# Altium PCB Driver.PcbDoc (part 2 of 2)
Units mm, origin at the board's own origin, x right, y up, seen from the top; angles counter-clockwise.
Board outline 245.25 x 200.25 mm, 2 copper layers (Top Layer, Bottom Layer), stack 1.371 mm thick; 666 components, 213 nets, 1628 pads, 0 vias.
Unrouted connection lines stored in the file: 1374.
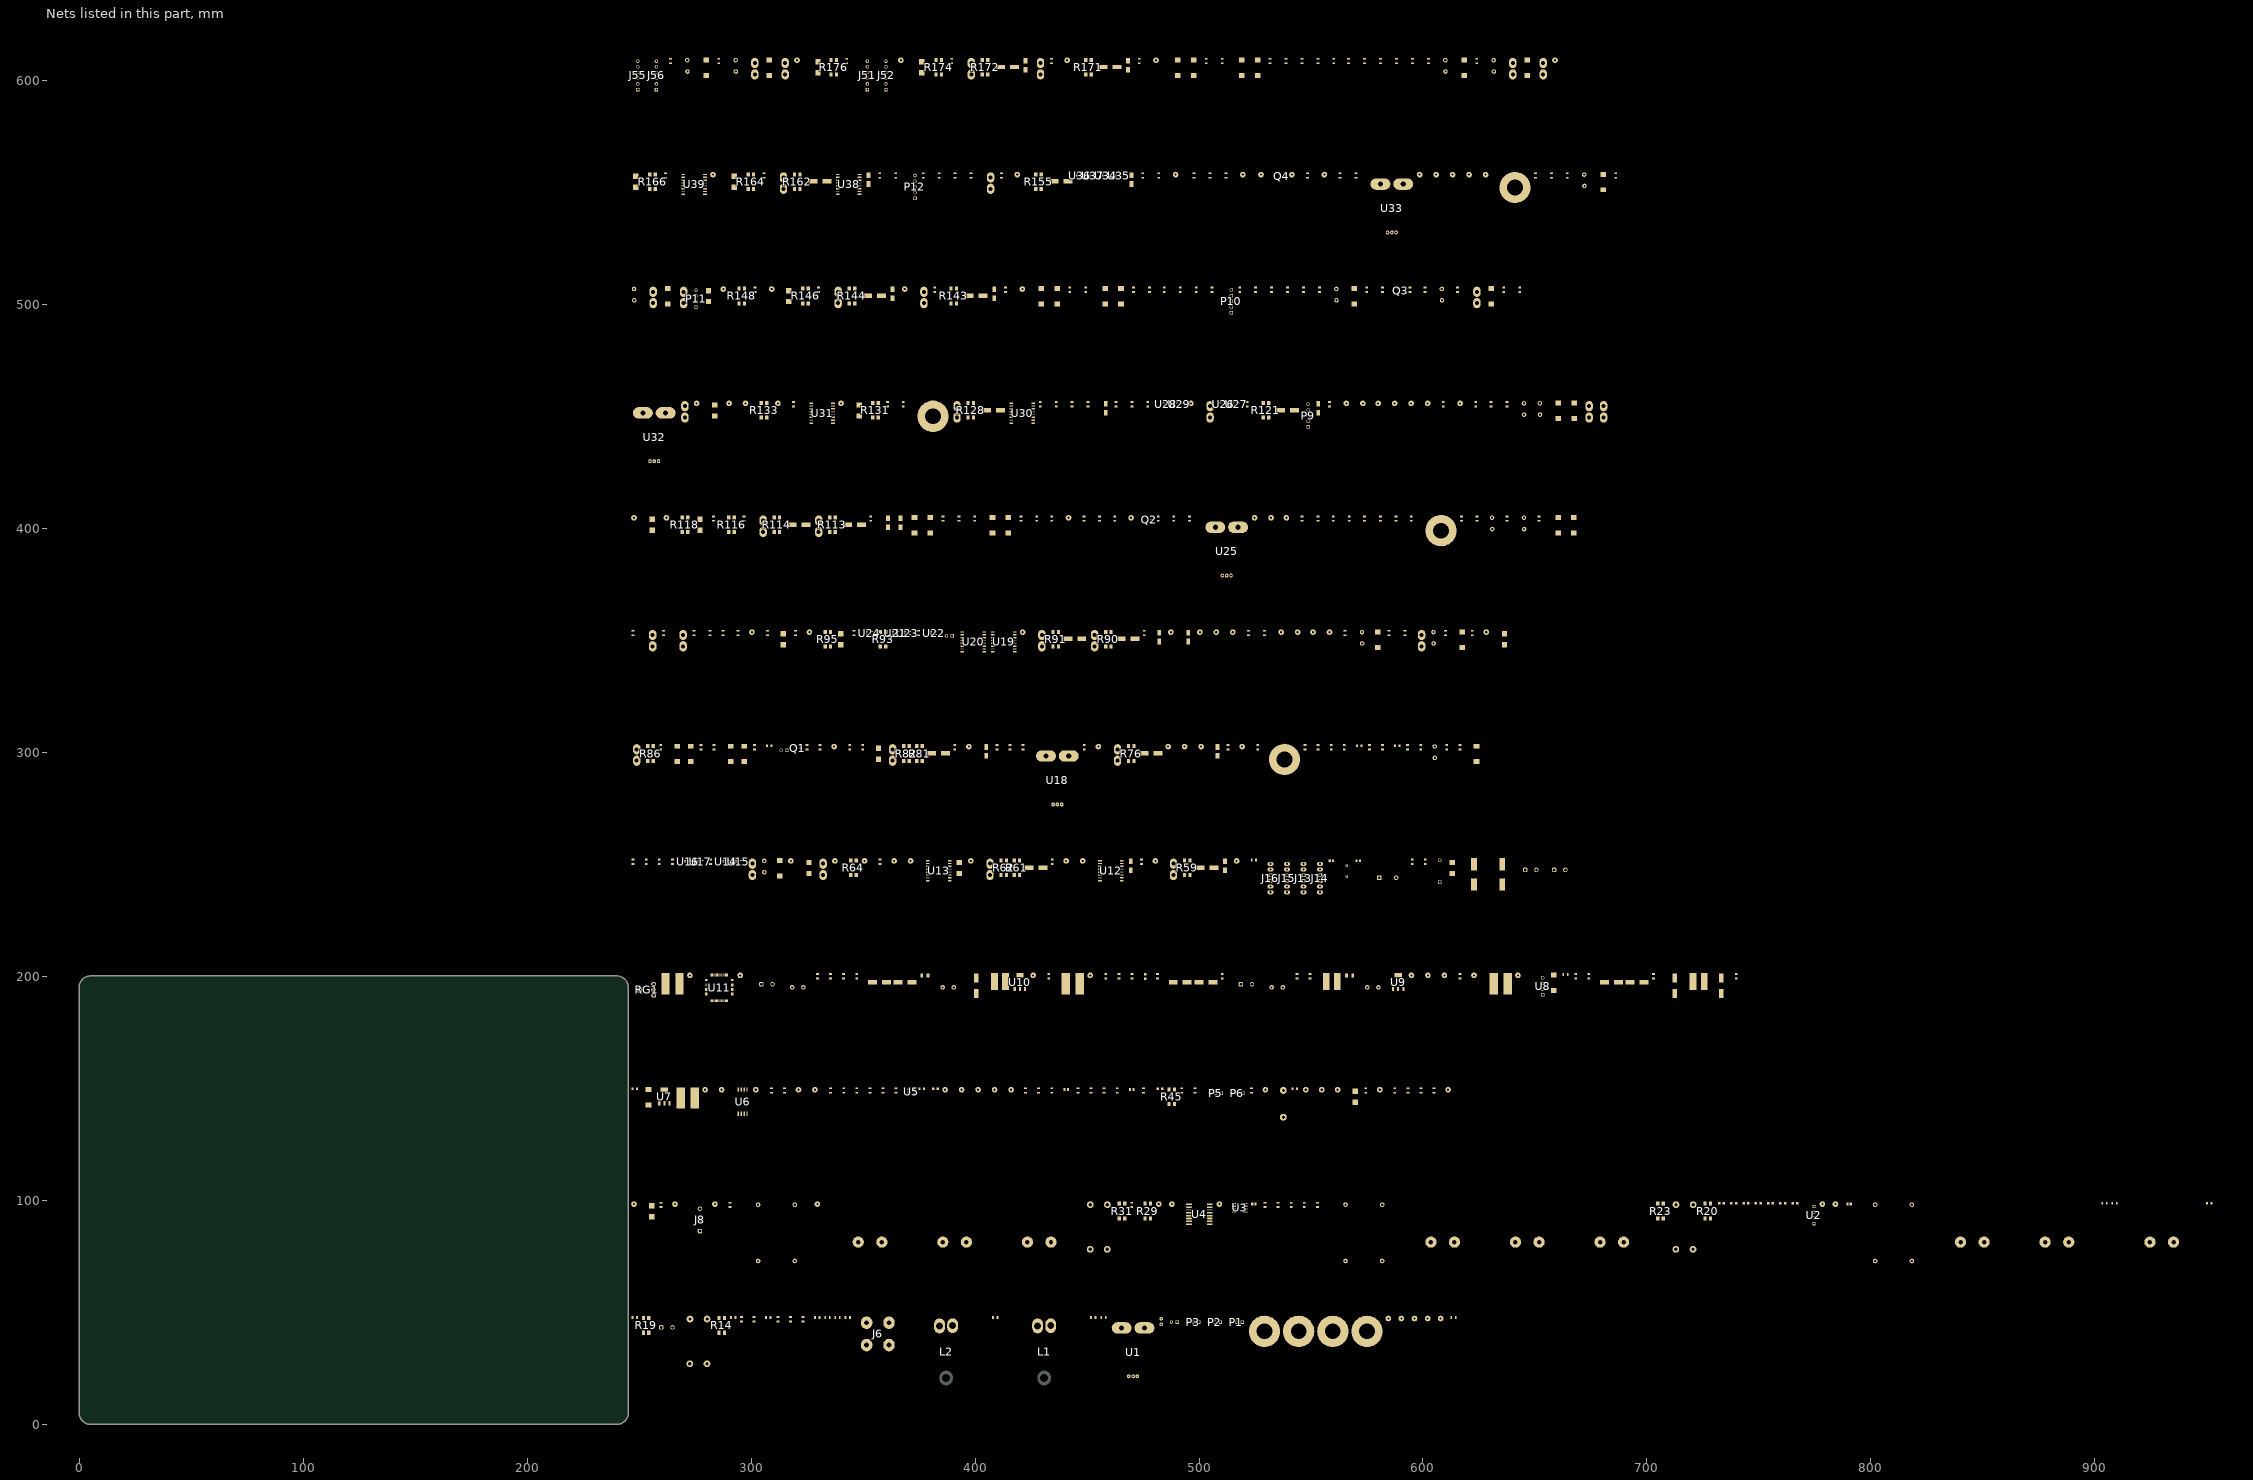
[diagram p2: the nets of this part, all layers, seen from the top]

## Part data
C1 C2 C3 C4 C8 C9 C14 C15 C20 C21 C22 C24 C26 C27 C28 C29 C30 C31 C33 C37 C39 C41 C43 C45 C46 C48 C49 C52 C53 C56 C57 C59 C60 C62 C66 C67 C99 C107 C149: library part CAP-NON-POLAR
C5 C6 C7 C11 C12 C13 C17 C18 C19: library part CAP_POL_LOW_IMP
C10 C16: library part CMP-1036-04552-2, "CAP CER 0.22UF 50V X7R 0805", Capacitance="0.22 μF", Manufacturer=KEMET, Package=C0805C-DN, Temperature="-55°C to +125°C", Temperature Characteristic=X7R, Temperature Coefficient=30ppm/°C, Temperature Range High=+125°C, Temperature Range Low=-55°C, Tolerance=0.1, Voltage Rating="50 V", Automotive=No, Category=Cap, ComponentLink2Description=Datasheet, ComponentLink2URL=https://content.kemet.com/datasheets/KEM_C1003_C0G_SMD.pdf, Device Class L1="Passive Components", Device Class L2=Capacitors, Device Class L3="Ceramic Capacitors", Digikey Description="CAP CER 0.22UF 50V X7R 0805", Height=0.88mm, Ipc Land Pattern Name=CAPC200125X78, Lead Free=Yes, Manufacturer Part Number=C0805C224K5RACTU, Material=Ceramic, Mouser Description="CAP CER 0.22UF 50V X7R 0805", Octopart=https://octopart.com/c0805c224k5ractu-kemet-144670, RoHS=TRUE
C23: library part CMP-1036-04552-2, "CAP CER  2.2UF 50V X7R 0805", Capacitance="0.22 μF", Manufacturer=KEMET, Manufacturer Part Number=C0805C224K5RACTU, Package=C0805C-DN, Temperature="-55°C to +125°C", Temperature Characteristic=X7R, Temperature Coefficient=30ppm/°C, Temperature Range High=+125°C, Temperature Range Low=-55°C, Tolerance=0.1, Voltage Rating="50 V", Automotive=No, Category=Cap, ComponentLink2Description=Datasheet, ComponentLink2URL=https://content.kemet.com/datasheets/KEM_C1003_C0G_SMD.pdf, Device Class L1="Passive Components", Device Class L2=Capacitors, Device Class L3="Ceramic Capacitors", Digikey Description="CAP CER 0.22UF 50V X7R 0805", Height=0.88mm, Ipc Land Pattern Name=CAPC200125X78, Lead Free=Yes, Material=Ceramic, Mouser Description="CAP CER 0.22UF 50V X7R 0805", Octopart=https://octopart.com/c0805c224k5ractu-kemet-144670, RoHS=TRUE
C25: library part CMP-1036-04552-2, "CAP CER 2.2UF 50V X7R 0805", Capacitance="0.22 μF", Manufacturer=KEMET, Manufacturer Part Number=C0805C224K5RACTU, Package=C0805C-DN, Temperature="-55°C to +125°C", Temperature Characteristic=X7R, Temperature Coefficient=30ppm/°C, Temperature Range High=+125°C, Temperature Range Low=-55°C, Tolerance=0.1, Voltage Rating="50 V", Automotive=No, Category=Cap, ComponentLink2Description=Datasheet, ComponentLink2URL=https://content.kemet.com/datasheets/KEM_C1003_C0G_SMD.pdf, Device Class L1="Passive Components", Device Class L2=Capacitors, Device Class L3="Ceramic Capacitors", Digikey Description="CAP CER 0.22UF 50V X7R 0805", Height=0.88mm, Ipc Land Pattern Name=CAPC200125X78, Lead Free=Yes, Material=Ceramic, Mouser Description="CAP CER 0.22UF 50V X7R 0805", Octopart=https://octopart.com/c0805c224k5ractu-kemet-144670, RoHS=TRUE
C32 C34 C36 C38 C40 C44 C47 C50 C51 C54 C55 C58 C61 C63 C68 C72 C74 C85 C87 C105 C106 C129 C130 C136 C139 C159 C161 C170 C172 C190 C192: library part CAP-POLAR
C64 C65: library part 1000uF_10V_Size_F
C69 C70: library part CMP-2007-03453-2, "Chip Multilayer Ceramic Capacitors for General Purpose, 0805, 16pF, X5R, 15%, 10%, 16V", Capacitance=10uF, Case Code (Imperial)=0805, Case Code (Metric)=2012, Dielectric=X5R, Max Operating Temperature=85°C, Min Operating Temperature=-55°C, Package Quantity=1, Tolerance=10%, Voltage=16V, Case/Package=0805, Depth=1.25mm, Height=1.25mm, Lead Free="Lead Free", Length=2mm, Material=Ceramic, Mount="Surface Mount", Packaging="Tape and Reel", Radiation Hardening=No, REACH SVHC="No SVHC", Termination=SMD/SMT, Thickness=0.053inch, Voltage Rating=16V, Voltage Rating (DC)=16V, Width=1.25mm
D1 D2 D3 D4 D5 D6 D7 D9 D10: library part LED, "WURTH ELEKTRONIK - 151031YS06000 - LED, Yellow, Through Hole, T-1 (3mm), 30 mA, 2 V, 590 nm", Manufacturer_Name="Wurth Elektronik", Mouser Part Number=710-151031YS06000, Datasheet Link=https://katalog.we-online.de/led/datasheet/151031YS06000.pdf, Geometry.Height=5.5mm, Manufacturer_Part_Number=151031YS06000, Mouser Price/Stock=https://www.mouser.co.uk/ProductDetail/Wurth-Elektronik/151031YS06000?qs=LlUlMxKIyB3xSYYW%252BcuBiQ%3D%3D
D8: "WURTH ELEKTRONIK - 151031YS06000 - LED, Yellow, Through Hole, T-1 (3mm), 30 mA, 2 V, 590 nm", Manufacturer_Name="Wurth Elektronik", Manufacturer_Part_Number=151031YS06000, Mouser Part Number=710-151031YS06000, Datasheet Link=https://katalog.we-online.de/led/datasheet/151031YS06000.pdf, Geometry.Height=5.5mm, Mouser Price/Stock=https://www.mouser.co.uk/ProductDetail/Wurth-Elektronik/151031YS06000?qs=LlUlMxKIyB3xSYYW%252BcuBiQ%3D%3D
D11: library part CMP-02541-000001-1, "DIODE ZENER 15V 1.3W DO41", Manufacturer=Vishay, Max Junction Temp=+175°C, Max Reverse Leakage Current=0.5uA, Max Zener Voltage=15.6V, Nom Zener Voltage=15V, Package=6.561-5001.02-4, Power Dissipation=1300mW, Reverse Voltage=11V, Temperature="to +175°C", Automotive=Yes, Automotive Grade="Grade 0", Category=Diode, ComponentLink2Description=Datasheet, ComponentLink2URL=http://www.vishay.com/docs/85607/bzx85.pdf, Device Class L1="Discrete Semiconductors", Device Class L2=Diodes, Device Class L3="Zener Diodes", Digikey Description="DIODE ZENER 15V 1.3W DO41", Height=2.6mm, Lead Free=Yes, Manufacturer Part Number=BZX85C15-TAP, Mouser Description="Zener Diodes 15 Volt 1.3 Watt 5%", Octopart=https://octopart.com/bzx85c15-tap-vishay-55401762, RoHS=TRUE, Temperature Range High=+175°C, Zener Impedance=15Ω
J1 J2 J3 J4 J17 J18 J19 J20 J21 J22 J23 J24 J25 J26 J27 J28 J29 J30 J31 J32 J33 J34 J35 J36 J37 J38 J39 J40 J41 J42 J43 J44 J45 J46 J47 J48 J49 J50 J53 J54: library part Klema_15_A
J6: library part Connector_Tianli_T-800
J7 J9 J10 J11 J12: "WR-TBL Series 101 Horizontal Entry Modular, THT, pitch 5mm, 2p", Manufacturer="Wurth Elektronik", Operating Temperature Max=105°C, Operating Temperature Min=-40°C, Rated Current=16A, Working Voltage=250V, Application="Pressure Clamp", Category="Terminal Blocks", ComponentLink1Description="Website Link", ComponentLink1URL=https://www.we-online.com/redexpert/article/691101710002?ad, ComponentLink2Description="Datasheet Link", ComponentLink2URL=https://www.we-online.com/redexpert/spec/691101710002?ad, Manufacturer Part Number=691101710002, Match Code=WR-TBL, Modularity=Yes, Mount="Through Hole", Number of Pins=2, Number of Rows=1, Orientation=Horizontal, Packaging=Box, Pitch=5mm
J8: library part 691101710003, "WR-TBL Series 101 Horizontal Entry Modular, Through Hole, pitch 5mm, 3p", Manufacturer="Wurth Elektronik", Operating Temperature Max=105°C, Operating Temperature Min=-40°C, Rated Current=16A, Working Voltage=250V, Application="Pressure Clamp", Category="Terminal Blocks", ComponentLink1Description="Manufacturer Link", ComponentLink1URL=https://www.we-online.com/redexpert/article/691101710003?ad, ComponentLink2Description=Datasheet, ComponentLink2URL=https://www.we-online.com/redexpert/spec/691101710003?ad, Manufacturer Part Number=691101710003, Match Code=WR-TBL, Modularity=Yes, Mount="Through Hole", Orientation=Horizontal, Packaging=Box, PCB/Cable/Panel=PCB, Pin Number=3, Pitch=5mm
J51 J52 J55 J56: library part SWR25X-NRTC-S06-ST-BA
L3 L5 L7 L9: library part CMP-0227-00501-2, Ambient Temperature Range High=85°C, Ambient Temperature Range Low=-40°C, Current Rating=620mA, DC Resistance (DCR)=500mΩ, Inductance=270µH, Max Operating Temperature=125°C, Self Resonant Frequency=4MHz, Height=5.4mm, Length=9mm, Min Operating Temperature=-40°C, NexarPartId=24533346, Packaging=Digi-Reel®, RoHS=Compliant, Width=10mm
L4 L6 L8: library part 74477530, "WE-PD2 SMT Power Inductor, size 7850, 1000µH, 0.3A, 3.3Ω", Case/Size Code=7850, DC Resistance=2.78Ω, DC Resistance Max=3.3Ω, Inductance=1000µH, Manufacturer="Wurth Elektronik", Operating Temperature Max=125°C, Operating Temperature Min=-40°C, Rated Current=0.3A, Self Resonant Frequency=2.4MHz, Category="Unshielded Power Inductors", ComponentLink1Description="Website Link", ComponentLink1URL=https://www.we-online.com/redexpert/article/74477530?ad, ComponentLink2Description="Datasheet Link", ComponentLink2URL=https://www.we-online.com/redexpert/spec/74477530?ad, Height=4.95mm, Length=7.8mm, Manufacturer Part Number=74477530, Match Code=WE-PD2, Mount="Surface Mount", Packaging="Tape and Reel", Saturation Current=0.3A, Width=7mm, Simulation ModelName=7850_74477530_1m, Simulation ModelText=".subckt 7850_74477530_1m 1 2 / Rp 1 2 187304.915771 / Cp 1 2 4.36976277949p / Rs 1 N3 3.3 / L1 N3 2 1000u / .ends 7850_74477530_1m", Simulation PortMap=(1:1),(2:2)
P1 P2 P3 P5 P6: "WR-WTB THT Male Vertical Locking Header, pitch 2.54mm, 3p", Contact Resistance=20mOhm, Operating Temperature="-40 to +105degC", Rated Current=3A, Withstanding Voltage=1000VAC, Working Voltage=250VAC, ComponentLink1Description=Manufacturer, ComponentLink1URL=http://www.we-online.de, ComponentLink2Description=Datasheet, ComponentLink2URL=https://www.we-online.com/catalog/datasheet/61900311121.pdf, Gender=Male, Mounting Technology=THT, Packaging=Bag, Part Number=61900311121, Pin Number=3, Pitch=2.54mm, Published Date="January 2020", Publisher="Wurth Elektronik", Type=Vertical
P4 P7 P8: "WR-WTB THT Male Vertical Locking Header, pitch 2.54mm, 2p", Contact Resistance=20mOhm, Operating Temperature="-40 to +105degC", Rated Current=3A, Withstanding Voltage=1000VAC, Working Voltage=250VAC, ComponentLink1Description=Manufacturer, ComponentLink1URL=http://www.we-online.de, ComponentLink2Description=Datasheet, ComponentLink2URL=https://www.we-online.com/catalog/datasheet/61900211121.pdf, Gender=Male, Mounting Technology=THT, Packaging=Bag, Part Number=61900211121, Pin Number=2, Pitch=2.54mm, Published Date="January 2020", Publisher="Wurth Elektronik", Type=Vertical
P9 P10 P12: "WR-PHD Pin Header, THT, Vertical, pitch 2.54mm, 1 Row, 5P", Contact Resistance=20mΩ, Manufacturer="Wurth Elektronik", Operating Temperature Max=105°C, Operating Temperature Min=-40°C, Rated Current=3A, Withstanding Voltage=500V, Working Voltage=250V, Category="Board-to-Board Connectors", ComponentLink1Description="Website Link", ComponentLink1URL=https://www.we-online.com/redexpert/article/61300511121?ad, ComponentLink2Description="Datasheet Link", ComponentLink2URL=https://www.we-online.com/redexpert/spec/61300511121?ad, Gender="Pin Header", Manufacturer Part Number=61300511121, Match Code=WR-PHD, Mount="Through Hole", Number of Pins=5, Number of Rows=1, Orientation=Vertical, Packaging=Bag, Pitch=2.54mm
P11: library part CMP-1024-00357-1, "0.025\" SQ Post Header, Through-hole, Vertical, -55 to 125 degC, 2.54 mm Pitch, 4-Pin, Male, RoHS", Manufacturer=Samtec, Temperature Range="-55 to 125 degC", ComponentLink1Description="Manufacturer URL", ComponentLink1URL=http://www.samtec.com, ComponentLink2Description=Datasheet, ComponentLink2URL=http://www.samtec.com/documents/webfiles/pdf/TSW_TH.PDF, ComponentLink3Description="Package Specification", ComponentLink3URL=http://www.samtec.com/documents/webfiles/cpdf/TSW-XXX-XX-XXX-X-XX-XXX-MKT.pdf, DatasheetVersion=F-214, Mounting Technology=Through-hole, Orientation=Vertical, PackageDescription=".025[0.64] SQ. Post Terminal Strip Assembly", PackageReference=TSW-104-08-X-S, PackageVersion="DM, 8/1988", PartNumber=TSW-104-08-G-S, Pitch="2.54 mm", RoHS=True
Q1 Q2 Q3 Q4: library part BC847C_Infineon, "NPN Silicon AF Transistor, 45 V VCEO, 100 mA IC, SOT23, Reel, Green", Manufacturer=Infineon, ComponentLink1Description="Manufacturer URL", ComponentLink1URL=http://www.infineon.com/, ComponentLink2Description=Datasheet, ComponentLink2URL=http://www.infineon.com/dgdl/bc847series_bc848series_bc849series_bc850series.pdf?folderId=db3a304314dca389011541d30fa21656&fileId=db3a304314dca389011541d4630a1657, ComponentLink3Description="Package Specification", ComponentLink3URL=http://www.infineon.com/dgdl/SOT23-Package_Overview.pdf?folderId=db3a30431936bc4b0119532290053c66&fileId=db3a30431936bc4b0119533468123c85, fT (typ)="250Â MHz", Green=TRUE, IBM (max)="200Â mA", IC (max)="100Â mA", ICBO (max)="15Â nA", ICM (max)="200Â mA", Mounting Technology="Surface Mount", PackageDescription="3-Pin Small Outline Transistor Package, 1.3 x 2.9 mm Body, 0.95 mm Pitch", PackageReference=SOT23, PackageVersion=Apr-08, Packing=Reel, PartNumber=BC847C, Polarity=NPN, Ptot (max)="330Â mW", VCBO (max)="50Â V", VCEO (max)="45Â V", VEBO (max)="6Â V"
R1 R2 R3 R4 R5 R6 R7 R8 R9 R10 R11 R12 R13 R14 R15 R16 R17 R18 R19 R20 R21 R22 R23 R24 R25 R26 R27 R28 R29 R30 R31 R32 R33 R34 R35 R36 R37 R38 R39 R40 R41 R42 R43 R44 R45 R46 R47 R48 R49 R50 R51 R52 R53 R54 R55 R56 R57 R58 R59 R60 R61 R62 R63 R64 R65 R66 R67 R68 R69 R70 R71 R72 R73 R74 R75 R76 R77 R78 R79 R80 R81 R82 R83 R84 R85 R86 R87 R88 R89 R90 R91 R92 R93 R94 R95 R96 R97 R98 R99 R100 R101 R102 R103 R104 R105 R106 R107 R108 R109 R110 R111 R112 R113 R114 R115 R116 R117 R118 R119 R120 R121 R122 R123 R124 R125 R126 R127 R128 R129 R130 R131 R132 R133 R134 R135 R136 R137 R138 R139 R140 R141 R142 R143 R144 R145 R146 R147 R148 R149 R150 R151 R152 R153 R154 R155 R156 R157 R158 R159 R160 R161 R162 R163 R164 R165 R166 R167 R168 R170 R171 R172 R173 R174 R175 R176: library part RES-CONST
R169: library part RES-CONST, "100K"
RG1: "REG IC REG LINEAR 5V 1A TO220AB", Current-Output=1A, Digikey Part Number=LM7805CT-ND, Manufacturer=Fairchild, Mouser Part Number=512-LM7805CT, Package=TO220, Temperature="-40°C to +125°C", Temperature Range High=+125°C, Temperature Range Low=-40°C, Voltage - Input (Max)=35V, Voltage - Output=5V, Voltage Dropout (Max)="2V @ 1A (Typ)", ComponentLink1Description=Upverter, ComponentLink1URL=https://upverter.com/upn/revision/b27a7358b7dd93a3/, ComponentLink2Description=Datasheet, ComponentLink2URL=https://www.fairchildsemi.com/datasheets/LM/LM7805.pdf, Digikey Description="REG IC REG LINEAR 5V 1A TO220AB", helpURL=https://upverter.com/upn/revision/b27a7358b7dd93a3/, Ipc Land Pattern Name=TO-220, Lead Free=yes, Part Number=LM7805CT, Price=0.384521982769, RoHS=TRUE, Supplier 1=Digi-Key, Supplier 2=Mouser, Supplier Part Number 1=LM7805CT-ND, Supplier Part Number 2=512-LM7805CT
TP1 TP2 TP3 TP4 TP5 TP6 TP7 TP8 TP9 TP10 TP11 TP12 TP13 TP14 TP15 TP16 TP17 TP18 TP19 TP20 TP21 TP22 TP23 TP24 TP25 TP26 TP27 TP28 TP29 TP30 TP31 TP32 TP33 TP34 TP35 TP36 TP37 TP38 TP39 TP40 TP41 TP42 TP43 TP44 TP45 TP46 TP47 TP48 TP49 TP50 TP51 TP52 TP53 TP54 TP55 TP56 TP57 TP58 TP59 TP60 TP61 TP62 TP63 TP64 TP65 TP66 TP67 TP68 TP69 TP70 TP71 TP72 TP73 TP74 TP75 TP76 TP77 TP78 TP79 TP80 TP81 TP82 TP83 TP84 TP85 TP86 TP87 TP88 TP89 TP90 TP91 TP92 TP93 TP94 TP95 TP96 TP97 TP98 TP99 TP100 TP101 TP102 TP103 TP104 TP105 TP106 TP107 TP108 TP109: library part TP_PCB?, "Test_Point"
U1: library part ACS758
U4: library part CMP-0534-00565-1, "Quad Channel Digital Isolator, 2.5 KV rms Insulation Rating, 10 Mbps Data Rate, 50 ns Delay, Industrial, 16-pin SOIC (RW-16), Tube", Manufacturer="Analog Devices", Max Operating Temp (degreesC)=125, Code_JEDEC=MS-013-AA, ComponentLink1Description="Manufacturer URL", ComponentLink1URL=http://www.analog.com/en/index.html, ComponentLink2Description=Datasheet, ComponentLink2URL=http://www.analog.com/static/imported-files/data_sheets/ADuM1400_1401_1402.pdf, ComponentLink3Description="Package Specification", ComponentLink3URL=http://www.analog.com/static/imported-files/packages/PKG_PDF/SOIC_WIDE%20%28RW%29/RW_16.pdf, ComponentLink4Description="URL Link1", ComponentLink4URL="Product URL:http://www.analog.com/en/interface-isolation/digital-isolators/adum1401/products/product.html", ComponentLink5Description="URL Link2", ComponentLink5URL="Reference Circuit:http://www.analog.com/en/interface-isolation/digital-isolators/adum1401/products/product.html#product-recommendations", DatasheetVersion="Rev. H", Max Data Rate=10Mbps, Mounting Technology="Surface Mount", PackageDescription="16-Pin Standard Small Outline Package, Body 10.3 x 7.5 mm, Pitch 1.27 mm", PackageReference=RW-16, PackageVersion="032707-B, 03/2007", PartNumber=ADUM1401BRWZ
U5: library part MCP6001T, "IC OPAMP GP 1 CIRCUIT SOT23-5", Case/Package=SOT-23, Input Bias Current=1pA, Input Offset Voltage (Vos)=4.5mV, Max Operating Temperature=85°C, Max Supply Voltage=6V, Min Operating Temperature=-40°C, Min Supply Voltage=1.8V, Nominal Supply Current=100uA, Operating Supply Voltage=5.5V, Output Current=23mA, Package Quantity=1, Power Supply Rejection Ratio (PSRR)=86dB, Voltage Gain=112dB, Bandwidth=1MHz, Common Mode Rejection Ratio=60dB, Contact Plating=Tin, Gain Bandwidth Product=1MHz, Height=1.3mm, Lead Free="Lead Free", Length=3.1mm, Mount="Surface Mount", Number of Amplifiers=1, Number of Channels=1, Number of Circuits=1, Number of Elements=1, Number of Pins=5, Operating Supply Current=100uA, Output Current per Channel=23mA, Packaging="Tape and Reel", Radiation Hardening=No, REACH SVHC="No SVHC", Slew Rate=0.6V/µs, Unity Gain Bandwidth Product=1MHz, Voltage=6V, Width=1.8mm
U7 U9 U10: library part AMS1117
VD1 VD4 VD5 VD8 VD9 VD12 VD13 VD16 VD17 VD20 VD21 VD24 VD25 VD28 VD29 VD32 VD33: library part ZENER
VD2 VD3 VD6 VD7 VD10 VD11 VD14 VD15 VD18 VD19 VD22 VD23 VD26 VD27 VD30 VD31: library part Suppressor
Y1: library part CMP-1749-00004-1, "Resistance Weld Thru-Hole Crystal, 12 MHz, +/-30 ppm, -20 to 70 degC, 2-Pin THD, RoHS, Bulk", Case\Package=TO-251-3, Input Capacitance="350 pF", Max Operating Temperature="150 degC", Max Power Dissipation="2.5 W", Min Operating Temperature="-55 degC", Package Quantity=70, ComponentLink1Description="Manufacturer URL", ComponentLink1URL=http://www.foxonline.com/, ComponentLink2Description=Datasheet, ComponentLink2URL=http://www.foxonline.com/pdfs/hc49slf.pdf, DatasheetVersion=Mar-15, Elements=1, Height="6.1 mm", Length="6.6 mm", Mount="Through Hole", PackageDescription="2-Pin Through Hole Device, Body 11.35 x 4.65 mm, Pitch 4.88 mm", PackageReference=FOXSLF-2, Packaging=Rail/Tube, Pins=3, Radiation Hardening=No, Rds On Max="115 mohm", REACH SVHC="No SVHC", RoHSCompliant=true, Typical Rise Time="90 ns", Width="2.3 mm"

## Nets (pads, with @x,y where several pads share a name; then routed paths per layer and width w, separated by ;. In a path a pad name is that pad's centre, name@x,y a point inside that pad or via, vN(x,y) a via of type N, cw(c..) or ccw(c..) an arc to the next point about the centre after c; other vN are vias at no path point)
+3V3: C26.2 C57.2 C61.1 J51.1 J52.1 J55.1 J56.1 L8.2 P9.4 P10.4 P11.1 R25.2 R28.2 R77.2 R89.2 R119.2 R120.2 TP7.1 U5.5
+3V3_MCU: C37.2 C40.1 L4.2 R57.2 TP30.1 U11.1 U11.19 U11.32 U11.48 U11.64
+3V3_REF: C49.2 C51.1 L6.2 R56.2 TP35.1 U11.13
+5: C31.1 C32.1 C36.1 C41.2 C48.2 C55.1 C62.2 C90.2 C91.2 C92.1 C93.1 C94.2 C95.2 C96.1 C97.1 C120.2 C121.2 C123.1 C124.1 C125.2 C126.2 C127.1 C128.1 C150.2 C151.2 C152.1 C153.1 C154.2 C155.2 C156.1 C157.1 C179.2 C180.2 C182.1 C183.1 C185.2 C186.2 C187.1 C188.1 R75.1 R103.1 R129.1 R149.1 U6.8 U7.3 U8.2 U9.3 U10.3 U12.3 U12.8 U13.3 U13.8 U14.1 U14.5 U15.1 U15.5 U16.1 U16.5 U17.1 U17.5 U19.3 U19.8 U20.3 U20.8 U21.1 U21.5 U22.1 U22.5 U23.1 U23.5 U24.1 U24.5 U26.1 U26.5 U27.1 U27.5 U28.1 U28.5 U29.1 U29.5 U30.3 U30.8 U31.3 U31.8 U34.1 U34.5 U35.1 U35.5 U36.1 U36.5 U37.1 U37.5 U38.3 U38.8 U39.3 U39.8
+5V: C16.1 C64.1 C66.2 J12.1 L3.1 L9.2 TP39.1 U1.1
+5V_1: C65.1 C67.2 C81.2 C109.2 C138.2 C166.2 J13.6 J14.6 J15.6 J16.6 J51.2 J56.2 L9.1 P1.3 P2.3 P3.3 P5.3 P6.3 P9.5 P10.5 P12.5 R1.2 RG1.3 TP38.1 U18.1 U25.1 U32.1 U33.1
+5V_ISO: C10.1 R24.2 R26.2 R27.2 TP6.1 U2.4 U3.8 U4.10 U4.16
+5V_RS: C34.1 C35.2 L3.2 U2.2 U4.1 U4.7
+24V_1: C44.1 C45.2 C71.2 C72.1 C73.2 C74.1 C103.2 C104.2 C105.1 C106.1 C135.2 C136.1 C137.2 C139.1 C169.2 C170.1 C171.2 C172.1 L5.2 R61.2 R64.2 R93.2 R95.2 R131.2 R133.2 R164.2 R166.2 TP33.1 U12.16 U13.16 U19.16 U20.16 U30.16 U31.16 U38.16 U39.16
+24V_2: C54.1 C56.2 C84.2 C85.1 C86.2 C87.1 C119.2 C122.2 C129.1 C130.1 C158.2 C159.1 C160.2 C161.1 C189.2 C190.1 C191.2 C192.1 L7.2 R81.2 R86.2 R116.2 R118.2 R146.2 R148.2 R174.2 R176.2 TP37.1 U12.11 U13.11 U19.11 U20.11 U30.11 U31.11 U38.11 U39.11
GND: C1.1 C2.1 C3.1 C4.1 C16.2 C22.1 C25.1 C26.1 C29.1 C31.2 C32.2 C34.2 C35.1 C36.2 C37.1 C38.2 C39.1 C40.2 C41.1 C48.1 C49.1 C50.2 C51.2 C52.1 C53.1 C55.2 C57.1 C58.2 C60.1 C61.2 C62.1 C64.2 C65.2 C66.1 C67.1 C68.2 C69.2 C70.2 C78.1 C79.1 C81.1 C82.1 C83.1 C88.1 C89.1 C90.1 C91.1 C92.2 C93.2 C94.1 C95.1 C96.2 C97.2 C99.1 C107.1 C109.1 C113.1 C114.1 C115.1 C116.1 C117.1 C118.1 C120.1 C121.1 C123.2 C124.2 C125.1 C126.1 C127.2 C128.2 C138.1 C141.1 C142.1 C146.1 C147.1 C148.1 C149.1 C150.1 C151.1 C152.2 C153.2 C154.1 C155.1 C156.2 C157.2 C166.1 C167.1 C168.1 C177.1 C178.1 C179.1 C180.1 C181.1 C182.2 C183.2 C184.1 C185.1 C186.1 C187.2 C188.2 D1.2 D2.2 D3.2 D4.2 D5.2 D6.2 D7.2 D8.2 D10.2 D11.2 J11.1 J12.2 J13.1 J14.1 J15.1 J16.1 J51.6 J52.6 J55.6 J56.6 P1.1 P2.1 P3.1 P4.1 P5.1 P6.1 P7.1 P8.1 P9.1 P10.1 P11.4 P12.1 Q1.2 Q2.2 Q3.2 Q4.2 R5.2 R6.2 R7.2 R8.2 R38.1 R47.2 R48.1 R49.1 R50.1 R54.2 R58.1 R65.1 R66.1 R67.1 R68.1 R69.1 R70.1 R71.1 R72.1 R73.1 R74.1 R84.2 R87.2 R88.2 R96.1 R97.1 R98.1 R99.1 R100.1 R101.1 R102.2 R104.1 R105.1 R106.1 R107.1 R111.2 R112.2 R122.1 R123.1 R124.1 R125.1 R126.1 R127.1 R137.2 R138.2 R139.1 R140.1 R141.1 R142.1 R153.2 R154.2 R156.1 R157.1 R158.1 R159.1 R160.1 R161.1 R167.1 R168.1 R169.1 R170.1 RG1.2 U1.2 U2.1 U4.2 U4.8 U5.2 U6.5 U7.1 U8.1 U9.1 U10.1 U11.12 U11.31 U11.47 U11.63 U12.4 U13.4 U14.3 U15.3 U16.3 U17.3 U18.2 U19.4 U20.4 U21.3 U22.3 U23.3 U24.3 U25.2 U26.3 U27.3 U28.3 U29.3 U30.4 U31.4 U32.2 U33.2 U34.3 U35.3 U36.3 U37.3 U38.4 U39.4 ZD3.1
GND_2: C10.2 J8.2 R36.1 R39.1 TP21.1 U2.3 U3.5 U4.9 U4.15 ZD1.1 ZD2.1
GND_-24V_1: C44.2 C45.1 C46.1 C47.2 C71.1 C72.2 C73.1 C74.2 C75.2 C76.1 C77.2 C80.1 C103.1 C104.1 C105.2 C106.2 C108.2 C110.2 C111.1 C112.1 C135.1 C136.2 C137.1 C139.2 C140.2 C143.1 C144.2 C145.1 C169.1 C170.2 C171.1 C172.2 C173.2 C174.1 C175.2 C176.1 J9.1 U12.14 U13.14 U19.14 U20.14 U30.14 U31.14 U38.14 U39.14 VD4.2 VD5.2 VD12.2 VD13.2 VD20.2 VD21.2 VD28.2 VD29.2
GND_-24V_2: C54.2 C56.1 C59.1 C63.2 C84.1 C85.2 C86.1 C87.2 C98.2 C100.1 C101.2 C102.1 C119.1 C122.1 C129.2 C130.2 C131.2 C132.2 C133.1 C134.1 C158.1 C159.2 C160.1 C161.2 C162.2 C163.1 C164.2 C165.1 C189.1 C190.2 C191.1 C192.2 C193.2 C194.1 C195.2 C196.1 J10.1 U12.9 U13.9 U19.9 U20.9 U30.9 U31.9 U38.9 U39.9 VD8.2 VD9.2 VD16.2 VD17.2 VD24.2 VD25.2 VD32.2 VD33.2
GND_HV: C17.2 C18.2 C19.2 C20.1 C21.1 C23.1 C24.1 C33.1 C42.2 C43.2 D9.2 J6.1 J7.2 R32.1 R33.1 R45.1 R46.2 TP32.1 U6.3 U6.4 U8.3 U18.4 U25.4 U32.4 U33.4 VD1.2
NetC1_2: C1.2 R2.2 R5.1 TP2.1 U11.23
NetC2_2: C2.2 R3.2 R6.1 TP3.1 U11.22
NetC3_2: C3.2 R4.2 R7.1 TP5.1 U11.21
NetC4_2: C4.2 P4.2 R1.1 R8.1 TP4.1 U11.24
NetC5_1: C5.1 C7.1 C9.2 J1.1 J2.1 J3.1 J4.1 L1.2 R18.2 TP1.1
NetC5_2: C5.2 C7.2 C9.1 C11.1 C13.1 C15.2 R18.1 R22.2
NetC6_2: C6.2 C8.1 C12.1 C14.2 R17.1 R21.2
NetC11_2: C11.2 C13.2 C15.1 C17.1 C19.1 C21.2 R22.1 R33.2
NetC12_2: C12.2 C14.1 C18.1 C20.2 R21.1 R32.2
NetC22_2: C22.2 R42.2 R47.1 TP17.1 U11.18
NetC23_2: C23.2 R31.1 R41.2 R45.2 TP16.1
NetC24_2: C24.2 R41.1 R46.1 TP14.1 U6.2
NetC25_2: C25.2 R35.1 R42.1 R48.2 TP19.1
NetC27_1: C27.1 R53.1 TP27.1 U6.6
NetC27_2: C27.2 R51.1 TP23.1 U6.7
NetC28_1: C28.1 C30.1 R53.2 R55.1 TP26.1 U5.4
NetC28_2: C28.2 R51.2 TP22.1 U5.3
NetC29_2: C29.2 R52.1 R54.1 TP25.1 U11.8
NetC30_2: C30.2 R52.2 R55.2 TP24.1 U5.1
NetC33_2: C33.2 C42.1 C43.1 TP28.1 U6.1 U8.4
NetC38_1: C38.1 C39.2 L4.1 TP29.1 U7.2
NetC46_2: C46.2 C47.1 J9.2 L5.1 TP31.1
NetC50_1: C50.1 C52.2 L6.1 TP34.1 U9.2
NetC53_2: C53.2 R57.1
NetC58_1: C58.1 C60.2 L8.1 U10.2
NetC59_2: C59.2 C63.1 J10.2 L7.1 TP36.1
NetC69_1: C69.1 Y1.2
NetC70_1: C70.1 Y1.1
NetC75_1: C75.1 C76.2 J19.1 R60.1 R61.1 TP44.1 VD2.1 VD4.1
NetC77_1: C77.1 C80.2 J20.1 R63.1 R64.1 TP49.1 VD3.1 VD5.1
NetC78_2: C78.2 C115.2 Q1.3 R72.2 R75.2 R107.2 U12.5 U20.5
NetC79_2: C79.2 R71.2 U12.6
NetC82_2: C82.2 C113.2 Q3.3 R74.2 R105.2 R129.2 U13.5 U19.5
NetC83_2: C83.2 R73.2 U13.6
NetC88_2: C88.2 R78.2 R84.1 TP51.1 U11.14
NetC89_2: C89.2 R78.1 R79.2 TP52.1
NetC98_1: C98.1 C100.2 J24.1 R80.1 R81.1 TP56.1 VD6.1 VD8.1
NetC99_2: C99.2 P7.2 R77.1 R88.1 TP55.1 U11.9
NetC101_1: C101.1 C102.2 J25.1 R85.1 R86.1 TP57.1 VD7.1 VD9.1
NetC107_2: C107.2 P8.2 R89.1 R102.1 TP66.1 U11.10
NetC108_1: C108.1 C111.2 J28.1 R92.1 R93.1 TP67.1 VD10.1 VD12.1
NetC110_1: C110.1 C112.2 J29.1 R94.1 R95.1 TP68.1 VD11.1 VD13.1
NetC114_2: C114.2 R104.2 U19.6
NetC116_2: C116.2 R106.2 U20.6
NetC117_2: C117.2 R108.2 R111.1 TP69.1 U11.15
NetC118_2: C118.2 R108.1 R109.2 TP70.1
NetC131_1: C131.1 C133.2 J33.1 R115.1 R116.1 TP74.1 VD14.1 VD16.1
NetC132_1: C132.1 C134.2 J34.1 R117.1 R118.1 TP75.1 VD15.1 VD17.1
NetC140_1: C140.1 C143.2 J38.1 R130.1 R131.1 TP84.1 VD18.1 VD20.1
NetC141_2: C141.2 R134.2 R137.1 TP85.1 U11.16
NetC142_2: C142.2 R134.1 R135.2 TP86.1
NetC144_1: C144.1 C145.2 J39.1 R132.1 R133.1 TP88.1 VD19.1 VD21.1
NetC146_2: C146.2 C177.2 Q4.3 R140.2 R149.2 R168.2 U30.5 U38.5
NetC147_2: C147.2 R139.2 U30.6
NetC148_2: C148.2 C181.2 Q2.3 R103.2 R142.2 R170.2 U31.5 U39.5
NetC149_2: C149.2 R141.2 U31.6
NetC162_1: C162.1 C163.2 J42.1 R145.1 R146.1 TP91.1 VD22.1 VD24.1
NetC164_1: C164.1 C165.2 J43.1 R147.1 R148.1 TP92.1 VD23.1 VD25.1
NetC167_2: C167.2 R150.2 R153.1 TP94.1 U11.17
NetC168_2: C168.2 R150.1 R151.2 TP95.1
NetC173_1: C173.1 C174.2 J47.1 R163.1 R164.1 TP104.1 VD26.1 VD28.1
NetC175_1: C175.1 C176.2 J48.1 R165.1 R166.1 TP105.1 VD27.1 VD29.1
NetC178_2: C178.2 R167.2 U38.6
NetC184_2: C184.2 R169.2 U39.6
NetC193_1: C193.1 C194.2 J53.1 R173.1 R174.1 TP108.1 VD30.1 VD32.1
NetC195_1: C195.1 C196.2 J54.1 R175.1 R176.1 TP109.1 VD31.1 VD33.1
NetD1_1: D1.1 R9.1
NetD2_1: D2.1 R10.1
NetD3_1: D3.1 R15.1
NetD4_1: D4.1 R11.1
NetD5_1: D5.1 R16.1
NetD6_1: D6.1 R12.1
NetD7_1: D7.1 R13.1
NetD8_1: D8.1 R37.1
NetD9_1: D9.1 R40.1
NetD10_1: D10.1 R56.1
NetD12_1: D12.1 R59.1 U12.15
NetD12_2: D12.2 J17.1 R59.2 R60.2 TP40.1 VD2.2
NetD13_1: D13.1 R62.1 U13.15
NetD13_2: D13.2 J18.1 R62.2 R63.2 TP41.1 VD3.2
NetD14_1: D14.1 R76.1 U12.10
NetD14_2: D14.2 J22.1 R76.2 R80.2 TP50.1 VD6.2
NetD15_1: D15.1 R82.1 U13.10
NetD15_2: D15.2 J23.1 R82.2 R85.2 TP54.1 VD7.2
NetD16_1: D16.1 R90.1 U19.15
NetD16_2: D16.2 J26.1 R90.2 R92.2 TP61.1 VD10.2
NetD17_1: D17.1 R91.1 U20.15
NetD17_2: D17.2 J27.1 R91.2 R94.2 TP60.1 VD11.2
NetD18_1: D18.1 R113.1 U19.10
NetD18_2: D18.2 J31.1 R113.2 R115.2 TP72.1 VD14.2
NetD19_1: D19.1 R114.1 U20.10
NetD19_2: D19.2 J32.1 R114.2 R117.2 TP73.1 VD15.2
NetD20_1: D20.1 R121.1 U30.15
NetD20_2: D20.2 J35.1 R121.2 R130.2 TP82.1 VD18.2
NetD21_1: D21.1 R128.1 U31.15
NetD21_2: D21.2 J37.1 R128.2 R132.2 TP83.1 VD19.2
NetD22_1: D22.1 R143.1 U30.10
NetD22_2: D22.2 J40.1 R143.2 R145.2 TP89.1 VD22.2
NetD23_1: D23.1 R144.1 U31.10
NetD23_2: D23.2 J41.1 R144.2 R147.2 TP90.1 VD23.2
NetD24_1: D24.1 R155.1 U38.15
NetD24_2: D24.2 J45.1 R155.2 R163.2 TP102.1 VD26.2
NetD25_1: D25.1 R162.1 U39.15
NetD25_2: D25.2 J46.1 R162.2 R165.2 TP103.1 VD27.2
NetD26_1: D26.1 R171.1 U38.10
NetD26_2: D26.2 J49.1 R171.2 R173.2 TP106.1 VD30.2
NetD27_1: D27.1 R172.1 U39.10
NetD27_2: D27.2 J50.1 R172.2 R175.2 TP107.1 VD31.2
NetJ5_1: J5.1 L2.1
NetJ6_2: J6.2 U1.4
NetJ7_1: J7.1 L2.2
NetJ8_1: J8.1 R39.2 U3.7 ZD2.2
NetJ8_3: J8.3 R24.1 U3.6 ZD1.2
NetJ13_2: J13.2 J14.2 J16.2 U11.57
NetJ13_3: J13.3 J14.3 J16.3 U11.56
NetJ13_4: J13.4 J14.4 J16.4 U11.55
NetJ13_5: J13.5 U11.27
NetJ14_5: J14.5 U11.28
NetJ15_2: J15.2 U11.40
NetJ15_3: J15.3 U11.38
NetJ15_4: J15.4 U11.39
NetJ15_5: J15.5 U11.11
NetJ16_5: J16.5 U11.26
NetJ21_1: J21.1 U18.5
NetJ30_1: J30.1 U25.5
NetJ36_1: J36.1 U32.5
NetJ44_1: J44.1 U33.5
NetJ51_3: J51.3 J55.5 R25.1 TP13.1 U4.6 U11.59
NetJ51_4: J51.4 J55.4 R28.1 TP10.1 U4.4 U11.58
NetJ51_5: J51.5 R37.2 R38.2 TP9.1 U4.5
NetJ52_2: J52.2 R13.2 U11.25
NetJ52_3: J52.3 R12.2 U11.20
NetJ52_4: J52.4 R16.2 U11.52
NetJ52_5: J52.5 R11.2 U11.35
NetJ55_2: J55.2 P11.2 U11.46
NetJ55_3: J55.3 P11.3 U11.49
NetJ56_3: J56.3 P12.4 R9.2 U11.30
NetJ56_4: J56.4 P12.3 R10.2 U11.33
NetJ56_5: J56.5 P12.2 R15.2 U11.34
NetP1_2: P1.2 R2.1
NetP2_2: P2.2 R3.1
NetP3_2: P3.2 R4.1
NetP5_2: P5.2 R43.1
NetP6_2: P6.2 R44.1
NetP9_2: P9.2 P10.2 R120.1 U11.61
NetP9_3: P9.3 P10.3 R119.1 U11.62
NetQ1_1: Q1.1 R83.2 R87.1
NetQ2_1: Q2.1 R110.2 R112.1
NetQ3_1: Q3.1 R136.2 R138.1
NetQ4_1: Q4.1 R152.2 R154.1
NetR14_1: R14.1 R20.2
NetR19_1: R19.1 R23.2
NetR20_1: R20.1 R29.2
NetR23_1: R23.1 R31.2
NetR26_1: R26.1 R30.1 TP8.1 U3.4
NetR27_1: R27.1 R34.1 TP15.1 U3.1
NetR29_1: R29.1 R40.2 VD1.1
NetR30_2: R30.2 U4.13
NetR34_2: R34.2 U4.11
NetR35_2: R35.2 TP11.1 U1.3
NetR36_2: R36.2 TP12.1 U3.2 U3.3 U4.12
NetR43_2: R43.2 R49.2 TP20.1 U11.50
NetR44_2: R44.2 R50.2 TP18.1 U11.29
NetR58_2: R58.2
NetR65_2: R65.2 TP45.1 U11.43 U14.2
NetR66_2: R66.2 TP47.1 U11.41 U16.2
NetR67_2: R67.2 TP42.1 U13.2 U15.2
NetR68_2: R68.2 TP46.1 U13.1 U15.4
NetR69_2: R69.2 TP43.1 U12.2 U17.2
NetR70_2: R70.2 TP48.1 U12.1 U17.4
NetR79_1: R79.1 TP53.1 U18.3
NetR83_1: R83.1 U11.53
NetR96_2: R96.2 TP62.1 U11.44 U21.2
NetR97_2: R97.2 TP64.1 U11.36 U24.2
NetR98_2: R98.2 TP58.1 U20.2 U22.2
NetR99_2: R99.2 TP63.1 U20.1 U22.4
NetR100_2: R100.2 TP59.1 U19.2 U23.2
NetR101_2: R101.2 TP65.1 U19.1 U23.4
NetR109_1: R109.1 TP71.1 U25.3
NetR110_1: R110.1 U11.2
NetR122_2: R122.2 TP78.1 U11.42 U26.2
NetR123_2: R123.2 TP80.1 U11.37 U28.2
NetR124_2: R124.2 TP76.1 U27.2 U31.2
NetR125_2: R125.2 TP79.1 U27.4 U31.1
NetR126_2: R126.2 TP77.1 U29.2 U30.2
NetR127_2: R127.2 TP81.1 U29.4 U30.1
NetR135_1: R135.1 TP87.1 U32.3
NetR136_1: R136.1 U11.3
NetR151_1: R151.1 TP96.1 U33.3
NetR152_1: R152.1 U11.4
NetR156_2: R156.2 TP98.1 U11.45 U34.2
NetR157_2: R157.2 TP100.1 U11.51 U36.2
NetR158_2: R158.2 TP93.1 U35.2 U39.2
NetR159_2: R159.2 TP99.1 U35.4 U39.1
NetR160_2: R160.2 TP97.1 U37.2 U38.2
NetR161_2: R161.2 TP101.1 U37.4 U38.1
V_PS: C6.1 C8.2 J5.2 L1.1 R14.2 R17.2 R19.2 U1.5
VCC: C68.1 D11.1 J11.2 RG1.1 ZD3.2
pads on no net: L1.GND L2.GND U4.3 U4.14 U11.5 U11.6 U11.7 U11.54 U11.60 U12.7 U12.12 U12.13 U13.7 U13.12 U13.13 U14.4 U16.4 U19.7 U19.12 U19.13 U20.7 U20.12 U20.13 U21.4 U24.4 U26.4 U28.4 U30.7 U30.12 U30.13 U31.7 U31.12 U31.13 U34.4 U36.4 U38.7 U38.12 U38.13 U39.7 U39.12 U39.13

## Silkscreen, mask and mechanical layers (free items; w line width, h text height)
Bottom Solder:
  text "1" at 183.65,942.463 h2.5
  text "2" at 391.743,942.463 h2.5
  text "3" at 600.157,942.463 h2.5
  text "4" at 808.41,942.463 h2.5
  text "5" at 1016.824,942.463 h2.5
  text "6" at 1225.077,942.463 h2.5
  text "1" at 176.072,941.317 h2.5
  text "2" at 384.164,941.317 h2.5
  text "3" at 592.578,941.317 h2.5
  text "4" at 800.831,941.317 h2.5
  text "5" at 1009.245,941.317 h2.5
  text "6" at 1217.498,941.317 h2.5
  text "A" at 81.938,844.829 h2.5
  text "A" at 1326.95,844.829 h2.5
  text "A" at 74.359,843.683 h2.5
  text "A" at 1319.372,843.683 h2.5
  text "B" at 82.099,644.729 h2.5
  text "B" at 1327.111,644.729 h2.5
  text "B" at 74.52,643.583 h2.5
  text "B" at 1319.533,643.583 h2.5
  text "G" at 1184.36,519.385 h2.5
  text "N" at 1185.971,519.385 h2.5
  text "D" at 1187.582,519.385 h2.5
  text "G" at 1176.781,518.239 h2.5
  text "N" at 1178.392,518.239 h2.5
  text "D" at 1180.003,518.239 h2.5
  text "C" at 82.099,444.468 h2.5
  text "C" at 1327.111,444.468 h2.5
  text "C" at 74.52,443.322 h2.5
  text "C" at 1319.533,443.322 h2.5
  text "D" at 1327.111,244.207 h2.5
  text "D" at 1319.533,243.061 h2.5
  text "6" at 1225.077,146.574 h2.5
  text "6" at 1217.498,145.428 h2.5

## Text inside footprints (layer, text, board x,y; h text height)
C64: Top Overlay "-" at 633.055,241.142 h1.52 r90; Top Overlay "+" at 633.31,249.143 h1.52 r90
C65: Top Overlay "-" at 620.355,241.142 h1.52 r90; Top Overlay "+" at 620.61,249.143 h1.52 r90
P9: Top Overlay "1" at 547.009,445.14 h1.02 r90; Top Overlay "5" at 547.009,455.04 h1.02 r90
P10: Top Overlay "1" at 512.749,496.22 h1.02 r90; Top Overlay "5" at 512.749,506.12 h1.02 r90
P12: Top Overlay "1" at 371.429,547.3 h1.02 r90; Top Overlay "5" at 371.429,557.2 h1.02 r90